# KiCad board issue21482.kicad_pcb
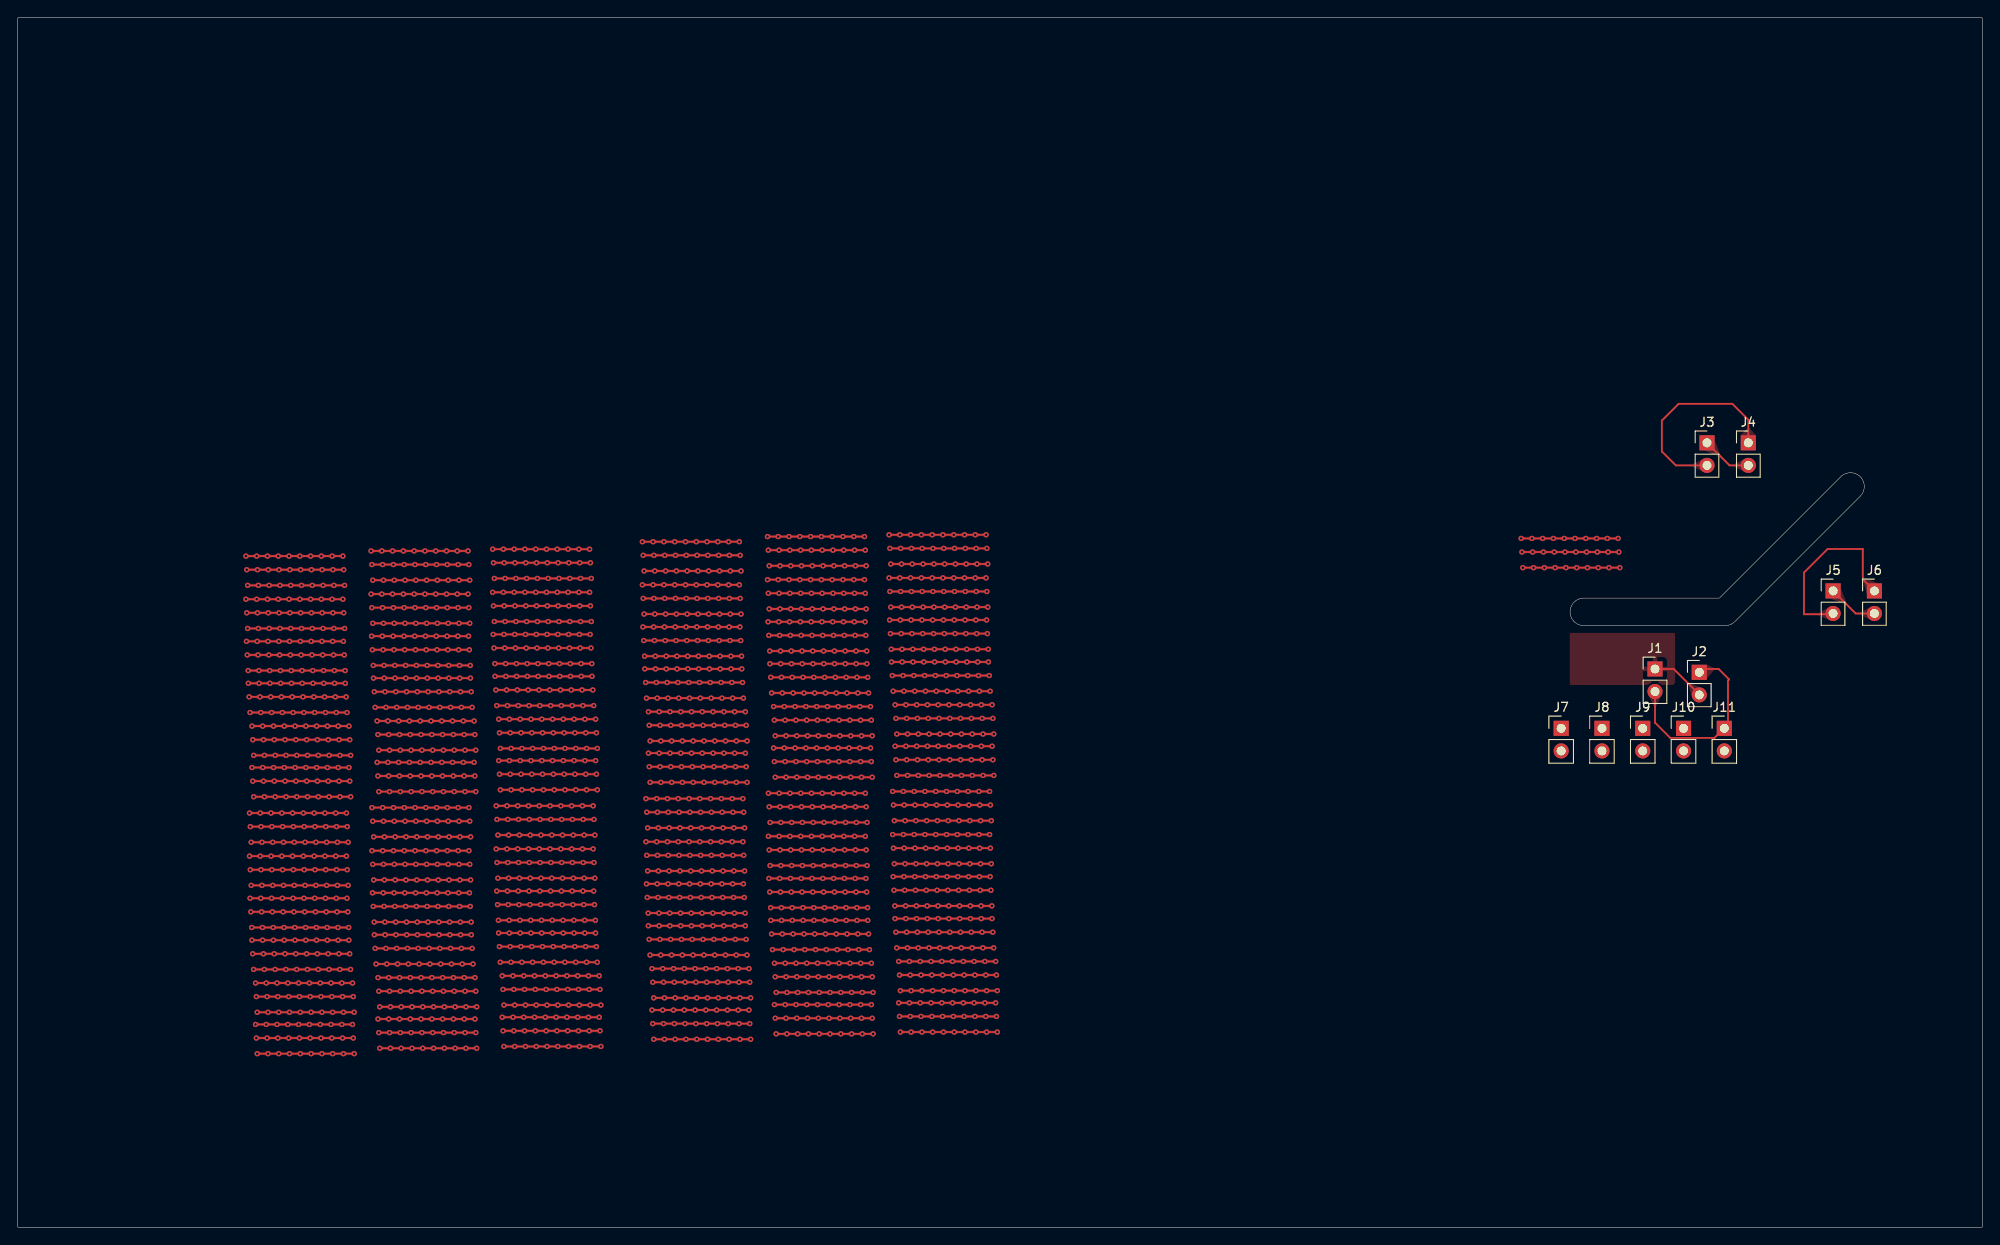
[diagram p0: board, top side]
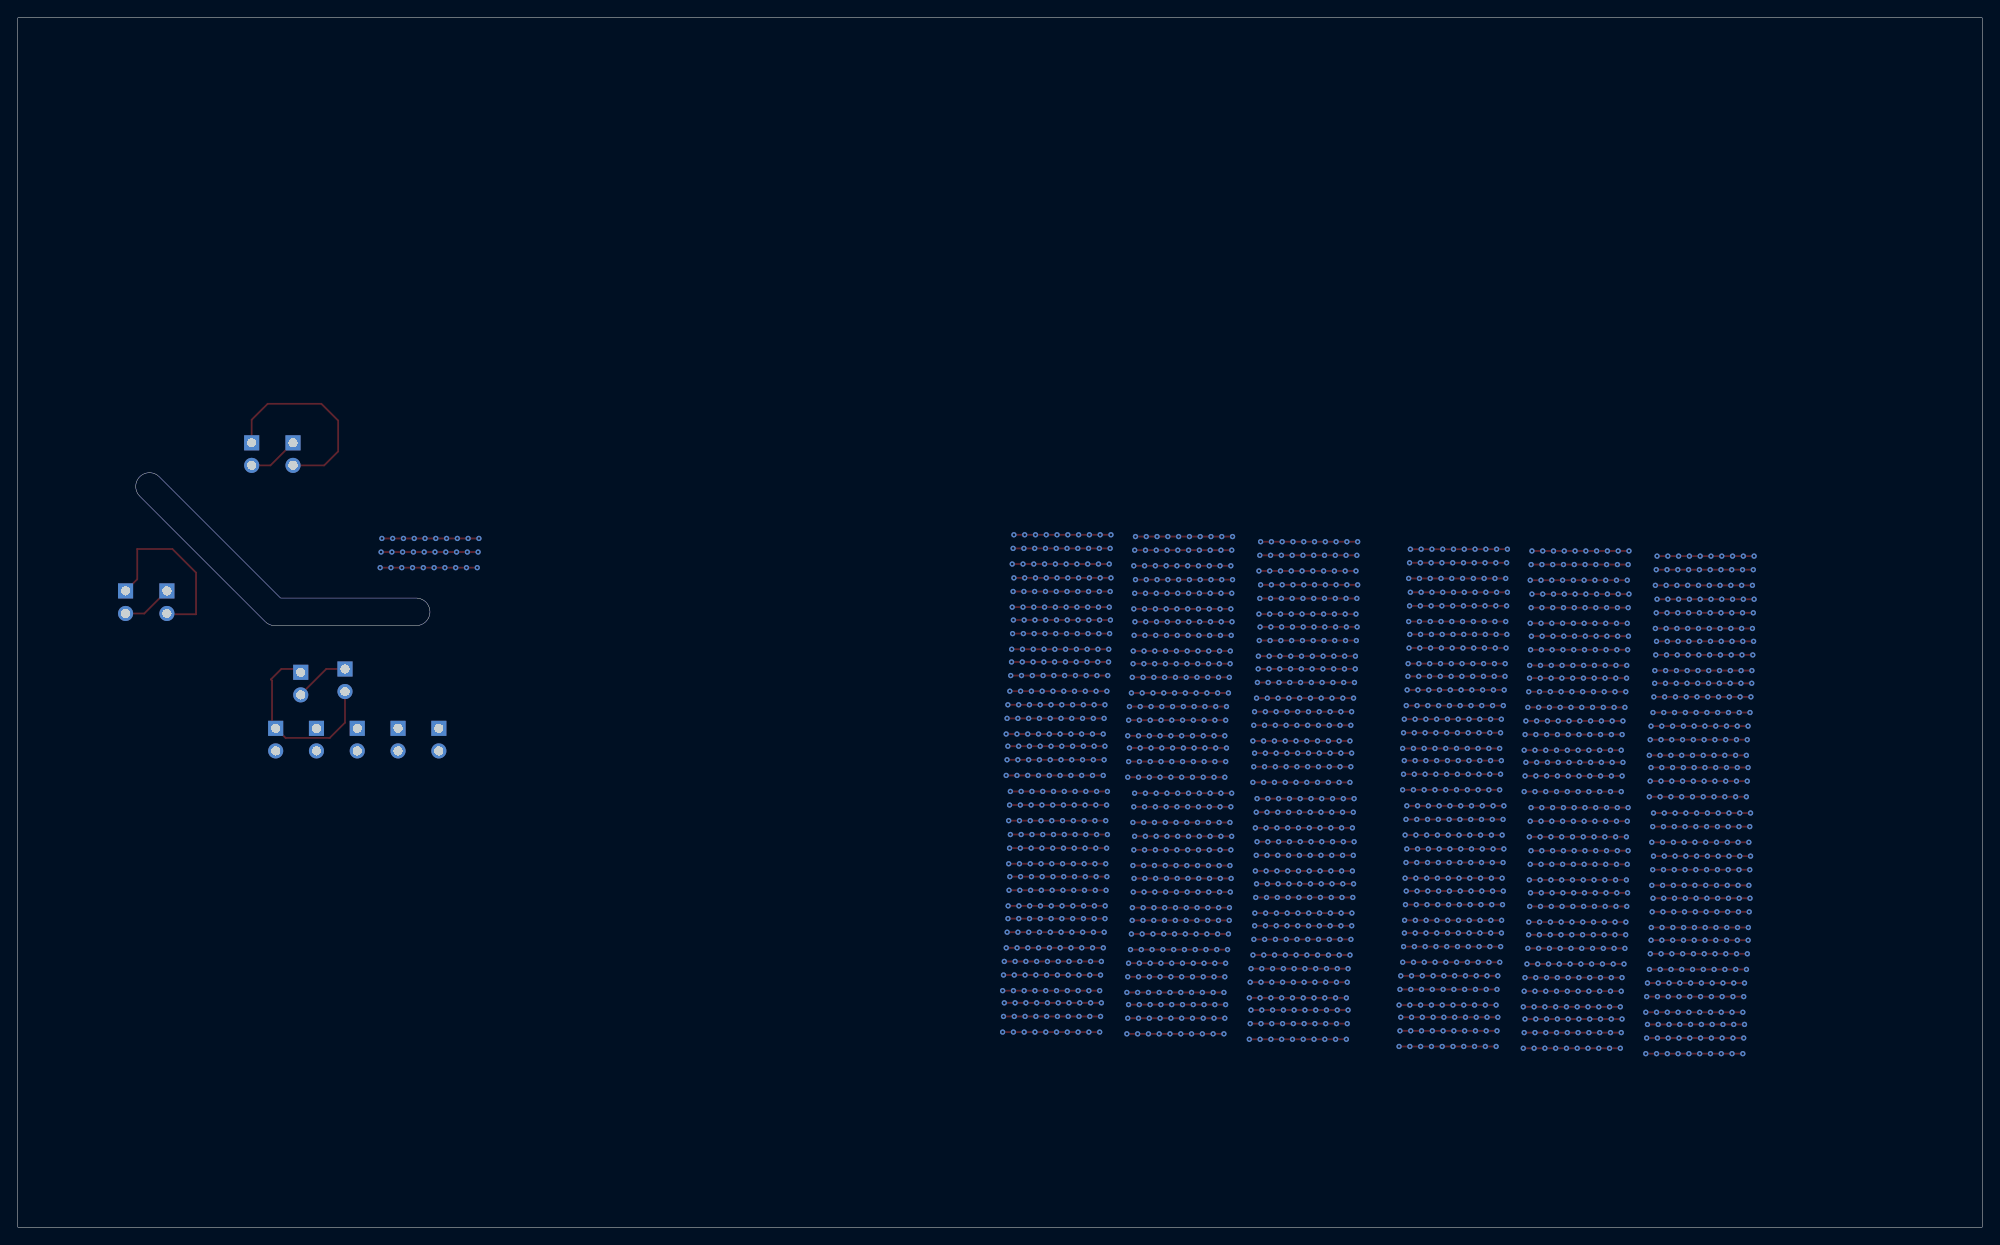
[diagram p1: board, bottom side, seen from below]

Outline 221.05 x 136.1 mm; copper layers: Top, In1.Cu, In2.Cu, In3.Cu, In4.Cu, In5.Cu, In6.Cu, Bottom. Coordinates in mm from the lower left corner of the outline.
Outline path: 206.48,84.89 206.72,84.83 206.95,84.73 207.16,84.6 207.32,84.46 207.33,84.45 207.49,84.26 207.62,84.05 207.71,83.82 207.76,83.58 207.78,83.37 207.78,83.35 207.76,83.11 207.7,82.87 207.6,82.64 207.52,82.5 207.36,82.3 207.33,82.26 193.22,68.15 193.03,67.99 192.98,67.96 192.76,67.84 192.53,67.76 192.42,67.73 192.17,67.7 192.12,67.7 176.22,67.7 175.98,67.72 175.91,67.73 175.68,67.8 175.45,67.9 175.25,68.04 175.13,68.15 175.12,68.16 174.96,68.35 174.83,68.56 174.74,68.79 174.69,69.03 174.67,69.24 174.67,69.26 174.69,69.5 174.75,69.74 174.85,69.97 174.98,70.18 175.12,70.34 175.13,70.35 175.32,70.51 175.53,70.64 175.76,70.73 175.92,70.77 176.17,70.8 176.22,70.8 191.48,70.8 205.13,84.46 205.32,84.62 205.37,84.65 205.59,84.77 205.82,84.85 206.06,84.9 206.22,84.91 206.24,84.91 closed ; rectangle 0,136.1 221.05,0
Stack: Top 0.035mm / dielectric 0.1mm FR4 er 4.5 / In1.Cu 0.035mm / dielectric 0.3mm FR4 er 4.5 / In2.Cu 0.035mm / dielectric 0.1mm FR4 er 4.5 / In3.Cu 0.035mm / dielectric 0.3mm FR4 er 4.5 / In4.Cu 0.035mm / dielectric 0.1mm FR4 er 4.5 / In5.Cu 0.035mm / dielectric 0.3mm FR4 er 4.5 / In6.Cu 0.035mm / dielectric 0.1mm FR4 er 4.5 / Bottom 0.035mm

## Placement (name value [footprint] x y rotation side)
J1  Conn_01x02_Pin  [PinHeader_1x02_P2.54mm_Vertical]  184.23 62.82 0 top
J2  Conn_01x02_Pin  [PinHeader_1x02_P2.54mm_Vertical]  189.21 62.45 0 top
J3  Conn_01x02_Pin  [PinHeader_1x02_P2.54mm_Vertical]  190.08 88.27 0 top
J4  Conn_01x02_Pin  [PinHeader_1x02_P2.54mm_Vertical]  194.73 88.27 0 top
J5  Conn_01x02_Pin  [PinHeader_1x02_P2.54mm_Vertical]  204.27 71.61 0 top
J6  Conn_01x02_Pin  [PinHeader_1x02_P2.54mm_Vertical]  208.92 71.61 0 top
J7  Conn_01x02_Pin  [PinHeader_1x02_P2.54mm_Vertical]  173.67 56.14 0 top
J8  Conn_01x02_Pin  [PinHeader_1x02_P2.54mm_Vertical]  178.26 56.14 0 top
J9  Conn_01x02_Pin  [PinHeader_1x02_P2.54mm_Vertical]  182.85 56.14 0 top
J10  Conn_01x02_Pin  [PinHeader_1x02_P2.54mm_Vertical]  187.44 56.14 0 top
J11  Conn_01x02_Pin  [PinHeader_1x02_P2.54mm_Vertical]  192.03 56.14 0 top

## Library data of the parts
J1-J11 = -: Description: Generic connector, single row, 01x02, script generated; ki_fp_filters: Connector*:*_1x??_*

## Footprints (pads in the part's own frame, mm; a bottom-side part is the same pattern mirrored in y, then rotated)
PinHeader_1x02_P2.54mm_Vertical
  rect 1.7x1.7 hole 1: 1(0,0)
  oval 1.7x1.7 hole 1: 2(0,-2.54)

## Nets
Net-(J1-Pin_1): J1.1 J2.2
Net-(J1-Pin_2): J1.2 J2.1
Net-(J3-Pin_1): J3.1 J4.2
Net-(J3-Pin_2): J3.2 J4.1
Net-(J5-Pin_1): J5.1 J6.2
Net-(J5-Pin_2): J5.2 J6.1

Pads without a net: J7 1 2; J8 1 2; J9 1 2; J10 1 2; J11 1 2

## Via types
v1: diameter 0.6, hole 0.3, Top to Bottom, 2190 vias

## Routing (per net, layer and track width the routed paths; a pad name or vN(x,y) marks a point on that pad's centre or on a via; arc(x,y) is an arc through that point)
(no net): length 2391.5
  Top w0.2: v1(37.18,43.32) v1(35.97,43.32) v1(34.75,43.32) v1(33.54,43.32) v1(32.33,43.32) v1(31.11,43.32) v1(29.9,43.32) v1(28.69,43.32) v1(27.47,43.32) v1(26.26,43.32) ; v1(53.83,42.57) v1(55.04,42.57) v1(56.26,42.57) v1(57.47,42.57) v1(58.68,42.57) v1(59.9,42.57) v1(61.11,42.57) v1(62.32,42.57) v1(63.54,42.57) v1(64.75,42.57) ; v1(39.84,69.72) v1(41.05,69.72) v1(42.27,69.72) v1(43.48,69.72) v1(44.69,69.72) v1(45.91,69.72) v1(47.12,69.72) v1(48.33,69.72) v1(49.55,69.72) v1(50.76,69.72) ; v1(26.44,50.2) v1(27.65,50.2) v1(28.87,50.2) v1(30.08,50.2) v1(31.29,50.2) v1(32.51,50.2) v1(33.72,50.2) v1(34.93,50.2) v1(36.15,50.2) v1(37.36,50.2) ; v1(39.94,40.84) v1(41.15,40.84) v1(42.37,40.84) v1(43.58,40.84) v1(44.79,40.84) v1(46.01,40.84) v1(47.22,40.84) v1(48.43,40.84) v1(49.65,40.84) v1(50.86,40.84) ; v1(96.05,57.06) v1(94.84,57.06) v1(93.62,57.06) v1(92.41,57.06) v1(91.2,57.06) v1(89.98,57.06) v1(88.77,57.06) v1(87.56,57.06) v1(86.34,57.06) v1(85.13,57.06) ; v1(109.64,58.79) v1(108.43,58.79) v1(107.21,58.79) v1(106,58.79) v1(104.79,58.79) v1(103.57,58.79) v1(102.36,58.79) v1(101.15,58.79) v1(99.93,58.79) v1(98.72,58.79) ; v1(81.75,37.11) v1(80.54,37.11) v1(79.32,37.11) v1(78.11,37.11) v1(76.9,37.11) v1(75.68,37.11) v1(74.47,37.11) v1(73.26,37.11) v1(72.04,37.11) v1(70.83,37.11) ; v1(109.11,66.8) v1(107.9,66.8) v1(106.68,66.8) v1(105.47,66.8) v1(104.26,66.8) v1(103.04,66.8) v1(101.83,66.8) v1(100.62,66.8) v1(99.4,66.8) v1(98.19,66.8) ; v1(26.53,29.01) v1(27.74,29.01) v1(28.96,29.01) v1(30.17,29.01) v1(31.38,29.01) v1(32.6,29.01) v1(33.81,29.01) v1(35.02,29.01) v1(36.24,29.01) v1(37.45,29.01) ; v1(40,36.1) v1(41.21,36.1) v1(42.43,36.1) v1(43.64,36.1) v1(44.85,36.1) v1(46.07,36.1) v1(47.28,36.1) v1(48.49,36.1) v1(49.71,36.1) v1(50.92,36.1) ; v1(70.47,69) v1(71.68,69) v1(72.9,69) v1(74.11,69) v1(75.32,69) v1(76.54,69) v1(77.75,69) v1(78.96,69) v1(80.18,69) v1(81.39,69) ; v1(26.84,21.29) v1(28.05,21.29) v1(29.27,21.29) v1(30.48,21.29) v1(31.69,21.29) v1(32.91,21.29) v1(34.12,21.29) v1(35.33,21.29) v1(36.55,21.29) v1(37.76,21.29) ; v1(85.14,29.71) v1(86.35,29.71) v1(87.57,29.71) v1(88.78,29.71) v1(89.99,29.71) v1(91.21,29.71) v1(92.42,29.71) v1(93.63,29.71) v1(94.85,29.71) v1(96.06,29.71) ; v1(36.86,61.21) v1(35.65,61.21) v1(34.43,61.21) v1(33.22,61.21) v1(32.01,61.21) v1(30.79,61.21) v1(29.58,61.21) v1(28.37,61.21) v1(27.15,61.21) v1(25.94,61.21) ; v1(65.62,25) v1(64.41,25) v1(63.19,25) v1(61.98,25) v1(60.77,25) v1(59.55,25) v1(58.34,25) v1(57.13,25) v1(55.91,25) v1(54.7,25) ; v1(37.08,40.23) v1(35.87,40.23) v1(34.65,40.23) v1(33.44,40.23) v1(32.23,40.23) v1(31.01,40.23) v1(29.8,40.23) v1(28.59,40.23) v1(27.37,40.23) v1(26.16,40.23) ; v1(98.71,34.73) v1(99.92,34.73) v1(101.14,34.73) v1(102.35,34.73) v1(103.56,34.73) v1(104.78,34.73) v1(105.99,34.73) v1(107.2,34.73) v1(108.42,34.73) v1(109.63,34.73) ; v1(98.04,73.07) v1(99.25,73.07) v1(100.47,73.07) v1(101.68,73.07) v1(102.89,73.07) v1(104.11,73.07) v1(105.32,73.07) v1(106.53,73.07) v1(107.75,73.07) v1(108.96,73.07) ; v1(71.55,21.15) v1(72.76,21.15) v1(73.98,21.15) v1(75.19,21.15) v1(76.4,21.15) v1(77.62,21.15) v1(78.83,21.15) v1(80.04,21.15) v1(81.26,21.15) v1(82.47,21.15) ; v1(95.44,39.25) v1(94.23,39.25) v1(93.01,39.25) v1(91.8,39.25) v1(90.59,39.25) v1(89.37,39.25) v1(88.16,39.25) v1(86.95,39.25) v1(85.73,39.25) v1(84.52,39.25) ; v1(25.67,70.67) v1(26.88,70.67) v1(28.1,70.67) v1(29.31,70.67) v1(30.52,70.67) v1(31.74,70.67) v1(32.95,70.67) v1(34.16,70.67) v1(35.38,70.67) v1(36.59,70.67) ; v1(99.12,25.25) v1(100.33,25.25) v1(101.55,25.25) v1(102.76,25.25) v1(103.97,25.25) v1(105.19,25.25) v1(106.4,25.25) v1(107.61,25.25) v1(108.83,25.25) v1(110.04,25.25) ; v1(37.26,32.3) v1(36.05,32.3) v1(34.83,32.3) v1(33.62,32.3) v1(32.41,32.3) v1(31.19,32.3) v1(29.98,32.3) v1(28.77,32.3) v1(27.55,32.3) v1(26.34,32.3) ; v1(54.11,57.17) v1(55.32,57.17) v1(56.54,57.17) v1(57.75,57.17) v1(58.96,57.17) v1(60.18,57.17) v1(61.39,57.17) v1(62.6,57.17) v1(63.82,57.17) v1(65.03,57.17) ; v1(37.86,19.53) v1(36.65,19.53) v1(35.43,19.53) v1(34.22,19.53) v1(33.01,19.53) v1(31.79,19.53) v1(30.58,19.53) v1(29.37,19.53) v1(28.15,19.53) v1(26.94,19.53) ; v1(54.3,53.88) v1(55.51,53.88) v1(56.73,53.88) v1(57.94,53.88) v1(59.15,53.88) v1(60.37,53.88) v1(61.58,53.88) v1(62.79,53.88) v1(64.01,53.88) v1(65.22,53.88) ; v1(53.7,61.99) v1(54.91,61.99) v1(56.13,61.99) v1(57.34,61.99) v1(58.55,61.99) v1(59.77,61.99) v1(60.98,61.99) v1(62.19,61.99) v1(63.41,61.99) v1(64.62,61.99) ; v1(109.23,63.61) v1(108.02,63.61) v1(106.8,63.61) v1(105.59,63.61) v1(104.38,63.61) v1(103.16,63.61) v1(101.95,63.61) v1(100.74,63.61) v1(99.52,63.61) v1(98.31,63.61) ; v1(70.37,70.76) v1(71.58,70.76) v1(72.8,70.76) v1(74.01,70.76) v1(75.22,70.76) v1(76.44,70.76) v1(77.65,70.76) v1(78.86,70.76) v1(80.08,70.76) v1(81.29,70.76) ; v1(26.54,48.44) v1(27.75,48.44) v1(28.97,48.44) v1(30.18,48.44) v1(31.39,48.44) v1(32.61,48.44) v1(33.82,48.44) v1(35.03,48.44) v1(36.25,48.44) v1(37.46,48.44) ; v1(82.28,24.44) v1(81.07,24.44) v1(79.85,24.44) v1(78.64,24.44) v1(77.43,24.44) v1(76.21,24.44) v1(75,24.44) v1(73.79,24.44) v1(72.57,24.44) v1(71.36,24.44) ; v1(109.32,62.08) v1(108.11,62.08) v1(106.89,62.08) v1(105.68,62.08) v1(104.47,62.08) v1(103.25,62.08) v1(102.04,62.08) v1(100.83,62.08) v1(99.61,62.08) v1(98.4,62.08) ; v1(50.67,76.1) v1(49.46,76.1) v1(48.24,76.1) v1(47.03,76.1) v1(45.82,76.1) v1(44.6,76.1) v1(43.39,76.1) v1(42.18,76.1) v1(40.96,76.1) v1(39.75,76.1) ; v1(37.76,25.95) v1(36.55,25.95) v1(35.33,25.95) v1(34.12,25.95) v1(32.91,25.95) v1(31.69,25.95) v1(30.48,25.95) v1(29.27,25.95) v1(28.05,25.95) v1(26.84,25.95) ; v1(40.04,39.08) v1(41.25,39.08) v1(42.47,39.08) v1(43.68,39.08) v1(44.89,39.08) v1(46.11,39.08) v1(47.32,39.08) v1(48.53,39.08) v1(49.75,39.08) v1(50.96,39.08) ; v1(95.74,60.12) v1(94.53,60.12) v1(93.31,60.12) v1(92.1,60.12) v1(90.89,60.12) v1(89.67,60.12) v1(88.46,60.12) v1(87.25,60.12) v1(86.03,60.12) v1(84.82,60.12) ; v1(98.04,77.92) v1(99.25,77.92) v1(100.47,77.92) v1(101.68,77.92) v1(102.89,77.92) v1(104.11,77.92) v1(105.32,77.92) v1(106.53,77.92) v1(107.75,77.92) v1(108.96,77.92) ; v1(26.07,46.61) v1(27.28,46.61) v1(28.5,46.61) v1(29.71,46.61) v1(30.92,46.61) v1(32.14,46.61) v1(33.35,46.61) v1(34.56,46.61) v1(35.78,46.61) v1(36.99,46.61) ; v1(95.65,34.53) v1(94.44,34.53) v1(93.22,34.53) v1(92.01,34.53) v1(90.8,34.53) v1(89.58,34.53) v1(88.37,34.53) v1(87.16,34.53) v1(85.94,34.53) v1(84.73,34.53) ; v1(53.52,69.92) v1(54.73,69.92) v1(55.95,69.92) v1(57.16,69.92) v1(58.37,69.92) v1(59.59,69.92) v1(60.8,69.92) v1(62.01,69.92) v1(63.23,69.92) v1(64.44,69.92) ; v1(95.57,40.7) v1(94.36,40.7) v1(93.14,40.7) v1(91.93,40.7) v1(90.72,40.7) v1(89.5,40.7) v1(88.29,40.7) v1(87.08,40.7) v1(85.86,40.7) v1(84.65,40.7) ; v1(65.11,31.58) v1(63.9,31.58) v1(62.68,31.58) v1(61.47,31.58) v1(60.26,31.58) v1(59.04,31.58) v1(57.83,31.58) v1(56.62,31.58) v1(55.4,31.58) v1(54.19,31.58) ; v1(81.97,51.82) v1(80.76,51.82) v1(79.54,51.82) v1(78.33,51.82) v1(77.12,51.82) v1(75.9,51.82) v1(74.69,51.82) v1(73.48,51.82) v1(72.26,51.82) v1(71.05,51.82) ; v1(54.08,34.54) v1(55.29,34.54) v1(56.51,34.54) v1(57.72,34.54) v1(58.93,34.54) v1(60.15,34.54) v1(61.36,34.54) v1(62.57,34.54) v1(63.79,34.54) v1(65,34.54) ; v1(96.06,25.05) v1(94.85,25.05) v1(93.63,25.05) v1(92.42,25.05) v1(91.21,25.05) v1(89.99,25.05) v1(88.78,25.05) v1(87.57,25.05) v1(86.35,25.05) v1(85.14,25.05) ; v1(109.64,54.13) v1(108.43,54.13) v1(107.21,54.13) v1(106,54.13) v1(104.79,54.13) v1(103.57,54.13) v1(102.36,54.13) v1(101.15,54.13) v1(99.93,54.13) v1(98.72,54.13) ; v1(53.92,41.04) v1(55.13,41.04) v1(56.35,41.04) v1(57.56,41.04) v1(58.77,41.04) v1(59.99,41.04) v1(61.2,41.04) v1(62.41,41.04) v1(63.63,41.04) v1(64.84,41.04) ; v1(53.98,36.3) v1(55.19,36.3) v1(56.41,36.3) v1(57.62,36.3) v1(58.83,36.3) v1(60.05,36.3) v1(61.26,36.3) v1(62.47,36.3) v1(63.69,36.3) v1(64.9,36.3) ; v1(99.12,29.91) v1(100.33,29.91) v1(101.55,29.91) v1(102.76,29.91) v1(103.97,29.91) v1(105.19,29.91) v1(106.4,29.91) v1(107.61,29.91) v1(108.83,29.91) v1(110.04,29.91) ; v1(37.27,56.39) v1(36.06,56.39) v1(34.84,56.39) v1(33.63,56.39) v1(32.42,56.39) v1(31.2,56.39) v1(29.99,56.39) v1(28.78,56.39) v1(27.56,56.39) v1(26.35,56.39) ; v1(84.55,47.31) v1(85.76,47.31) v1(86.98,47.31) v1(88.19,47.31) v1(89.4,47.31) v1(90.62,47.31) v1(91.83,47.31) v1(93.04,47.31) v1(94.26,47.31) v1(95.47,47.31) ; v1(109.45,42.66) v1(108.24,42.66) v1(107.02,42.66) v1(105.81,42.66) v1(104.6,42.66) v1(103.38,42.66) v1(102.17,42.66) v1(100.96,42.66) v1(99.74,42.66) v1(98.53,42.66) ; v1(26.03,59.68) v1(27.24,59.68) v1(28.46,59.68) v1(29.67,59.68) v1(30.88,59.68) v1(32.1,59.68) v1(33.31,59.68) v1(34.52,59.68) v1(35.74,59.68) v1(36.95,59.68) ; v1(54.02,39.28) v1(55.23,39.28) v1(56.45,39.28) v1(57.66,39.28) v1(58.87,39.28) v1(60.09,39.28) v1(61.3,39.28) v1(62.51,39.28) v1(63.73,39.28) v1(64.94,39.28) ; v1(39.94,67.96) v1(41.15,67.96) v1(42.37,67.96) v1(43.58,67.96) v1(44.79,67.96) v1(46.01,67.96) v1(47.22,67.96) v1(48.43,67.96) v1(49.65,67.96) v1(50.86,67.96) ; v1(26.13,57.92) v1(27.34,57.92) v1(28.56,57.92) v1(29.77,57.92) v1(30.98,57.92) v1(32.2,57.92) v1(33.41,57.92) v1(34.62,57.92) v1(35.84,57.92) v1(37.05,57.92) ; v1(109.15,74.63) v1(107.94,74.63) v1(106.72,74.63) v1(105.51,74.63) v1(104.3,74.63) v1(103.08,74.63) v1(101.87,74.63) v1(100.66,74.63) v1(99.44,74.63) v1(98.23,74.63) ; v1(40.52,55.44) v1(41.73,55.44) v1(42.95,55.44) v1(44.16,55.44) v1(45.37,55.44) v1(46.59,55.44) v1(47.8,55.44) v1(49.01,55.44) v1(50.23,55.44) v1(51.44,55.44) ; v1(40.1,34.34) v1(41.31,34.34) v1(42.53,34.34) v1(43.74,34.34) v1(44.95,34.34) v1(46.17,34.34) v1(47.38,34.34) v1(48.59,34.34) v1(49.81,34.34) v1(51.02,34.34) ; v1(65.52,26.76) v1(64.31,26.76) v1(63.09,26.76) v1(61.88,26.76) v1(60.67,26.76) v1(59.45,26.76) v1(58.24,26.76) v1(57.03,26.76) v1(55.81,26.76) v1(54.6,26.76) ; v1(65.43,28.29) v1(64.22,28.29) v1(63,28.29) v1(61.79,28.29) v1(60.58,28.29) v1(59.36,28.29) v1(58.15,28.29) v1(56.94,28.29) v1(55.72,28.29) v1(54.51,28.29) ; v1(95.28,77.72) v1(94.07,77.72) v1(92.85,77.72) v1(91.64,77.72) v1(90.43,77.72) v1(89.21,77.72) v1(88,77.72) v1(86.79,77.72) v1(85.57,77.72) v1(84.36,77.72) ; v1(85.23,23.52) v1(86.44,23.52) v1(87.66,23.52) v1(88.87,23.52) v1(90.08,23.52) v1(91.3,23.52) v1(92.51,23.52) v1(93.72,23.52) v1(94.94,23.52) v1(96.15,23.52) ; v1(37.24,33.73) v1(36.03,33.73) v1(34.81,33.73) v1(33.6,33.73) v1(32.39,33.73) v1(31.17,33.73) v1(29.96,33.73) v1(28.75,33.73) v1(27.53,33.73) v1(26.32,33.73) ; v1(37.14,35.49) v1(35.93,35.49) v1(34.71,35.49) v1(33.5,35.49) v1(32.29,35.49) v1(31.07,35.49) v1(29.86,35.49) v1(28.65,35.49) v1(27.43,35.49) v1(26.22,35.49) ; v1(81.87,33.92) v1(80.66,33.92) v1(79.44,33.92) v1(78.23,33.92) v1(77.02,33.92) v1(75.8,33.92) v1(74.59,33.92) v1(73.38,33.92) v1(72.16,33.92) v1(70.95,33.92) ; v1(84.42,68.13) v1(85.63,68.13) v1(86.85,68.13) v1(88.06,68.13) v1(89.27,68.13) v1(90.49,68.13) v1(91.7,68.13) v1(92.91,68.13) v1(94.13,68.13) v1(95.34,68.13) ; v1(81.26,67.55) v1(80.05,67.55) v1(78.83,67.55) v1(77.62,67.55) v1(76.41,67.55) v1(75.19,67.55) v1(73.98,67.55) v1(72.77,67.55) v1(71.55,67.55) v1(70.34,67.55) ; v1(50.76,74.57) v1(49.55,74.57) v1(48.33,74.57) v1(47.12,74.57) v1(45.91,74.57) v1(44.69,74.57) v1(43.48,74.57) v1(42.27,74.57) v1(41.05,74.57) v1(39.84,74.57) ; v1(81.79,44.94) v1(80.58,44.94) v1(79.36,44.94) v1(78.15,44.94) v1(76.94,44.94) v1(75.72,44.94) v1(74.51,44.94) v1(73.3,44.94) v1(72.08,44.94) v1(70.87,44.94) ; v1(95.96,53.93) v1(94.75,53.93) v1(93.53,53.93) v1(92.32,53.93) v1(91.11,53.93) v1(89.89,53.93) v1(88.68,53.93) v1(87.47,53.93) v1(86.25,53.93) v1(85.04,53.93) ; v1(109.83,50.84) v1(108.62,50.84) v1(107.4,50.84) v1(106.19,50.84) v1(104.98,50.84) v1(103.76,50.84) v1(102.55,50.84) v1(101.34,50.84) v1(100.12,50.84) v1(98.91,50.84) ; v1(70.28,72.29) v1(71.49,72.29) v1(72.71,72.29) v1(73.92,72.29) v1(75.13,72.29) v1(76.35,72.29) v1(77.56,72.29) v1(78.77,72.29) v1(79.99,72.29) v1(81.2,72.29) ; v1(50.92,63.22) v1(49.71,63.22) v1(48.49,63.22) v1(47.28,63.22) v1(46.07,63.22) v1(44.85,63.22) v1(43.64,63.22) v1(42.43,63.22) v1(41.21,63.22) v1(40,63.22) ; v1(53.43,76.3) v1(54.64,76.3) v1(55.86,76.3) v1(57.07,76.3) v1(58.28,76.3) v1(59.5,76.3) v1(60.71,76.3) v1(61.92,76.3) v1(63.14,76.3) v1(64.35,76.3) ; v1(109.36,44.19) v1(108.15,44.19) v1(106.93,44.19) v1(105.72,44.19) v1(104.51,44.19) v1(103.29,44.19) v1(102.08,44.19) v1(100.87,44.19) v1(99.65,44.19) v1(98.44,44.19) ; v1(98.91,55.5) v1(100.12,55.5) v1(101.34,55.5) v1(102.55,55.5) v1(103.76,55.5) v1(104.98,55.5) v1(106.19,55.5) v1(107.4,55.5) v1(108.62,55.5) v1(109.83,55.5) ; v1(40.12,32.91) v1(41.33,32.91) v1(42.55,32.91) v1(43.76,32.91) v1(44.97,32.91) v1(46.19,32.91) v1(47.4,32.91) v1(48.61,32.91) v1(49.83,32.91) v1(51.04,32.91) ; v1(51.44,50.78) v1(50.23,50.78) v1(49.01,50.78) v1(47.8,50.78) v1(46.59,50.78) v1(45.37,50.78) v1(44.16,50.78) v1(42.95,50.78) v1(41.73,50.78) v1(40.52,50.78) ; v1(71.15,50.06) v1(72.36,50.06) v1(73.58,50.06) v1(74.79,50.06) v1(76,50.06) v1(77.22,50.06) v1(78.43,50.06) v1(79.64,50.06) v1(80.86,50.06) v1(82.07,50.06) ; v1(53.62,73.01) v1(54.83,73.01) v1(56.05,73.01) v1(57.26,73.01) v1(58.47,73.01) v1(59.69,73.01) v1(60.9,73.01) v1(62.11,73.01) v1(63.33,73.01) v1(64.54,73.01) ; v1(50.94,61.79) v1(49.73,61.79) v1(48.51,61.79) v1(47.3,61.79) v1(46.09,61.79) v1(44.87,61.79) v1(43.66,61.79) v1(42.45,61.79) v1(41.23,61.79) v1(40.02,61.79) ; v1(96.25,21.76) v1(95.04,21.76) v1(93.82,21.76) v1(92.61,21.76) v1(91.4,21.76) v1(90.18,21.76) v1(88.97,21.76) v1(87.76,21.76) v1(86.54,21.76) v1(85.33,21.76) ; v1(64.81,37.83) v1(63.6,37.83) v1(62.38,37.83) v1(61.17,37.83) v1(59.96,37.83) v1(58.74,37.83) v1(57.53,37.83) v1(56.32,37.83) v1(55.1,37.83) v1(53.89,37.83) ; v1(25.73,65.93) v1(26.94,65.93) v1(28.16,65.93) v1(29.37,65.93) v1(30.58,65.93) v1(31.8,65.93) v1(33.01,65.93) v1(34.22,65.93) v1(35.44,65.93) v1(36.65,65.93) ; v1(110.23,21.96) v1(109.02,21.96) v1(107.8,21.96) v1(106.59,21.96) v1(105.38,21.96) v1(104.16,21.96) v1(102.95,21.96) v1(101.74,21.96) v1(100.52,21.96) v1(99.31,21.96) ; v1(98.29,65.04) v1(99.5,65.04) v1(100.72,65.04) v1(101.93,65.04) v1(103.14,65.04) v1(104.36,65.04) v1(105.57,65.04) v1(106.78,65.04) v1(108,65.04) v1(109.21,65.04) ; v1(98.9,31.44) v1(100.11,31.44) v1(101.33,31.44) v1(102.54,31.44) v1(103.75,31.44) v1(104.97,31.44) v1(106.18,31.44) v1(107.39,31.44) v1(108.61,31.44) v1(109.82,31.44) ; v1(98.69,36.16) v1(99.9,36.16) v1(101.12,36.16) v1(102.33,36.16) v1(103.54,36.16) v1(104.76,36.16) v1(105.97,36.16) v1(107.18,36.16) v1(108.4,36.16) v1(109.61,36.16) ; v1(81.69,41.85) v1(80.48,41.85) v1(79.26,41.85) v1(78.05,41.85) v1(76.84,41.85) v1(75.62,41.85) v1(74.41,41.85) v1(73.2,41.85) v1(71.98,41.85) v1(70.77,41.85) ; v1(95.74,33) v1(94.53,33) v1(93.31,33) v1(92.1,33) v1(90.89,33) v1(89.67,33) v1(88.46,33) v1(87.25,33) v1(86.03,33) v1(84.82,33) ; v1(98.8,33.2) v1(100.01,33.2) v1(101.23,33.2) v1(102.44,33.2) v1(103.65,33.2) v1(104.87,33.2) v1(106.08,33.2) v1(107.29,33.2) v1(108.51,33.2) v1(109.72,33.2) ; v1(81.6,48.23) v1(80.39,48.23) v1(79.17,48.23) v1(77.96,48.23) v1(76.75,48.23) v1(75.53,48.23) v1(74.32,48.23) v1(73.11,48.23) v1(71.89,48.23) v1(70.68,48.23) ; v1(64.81,58.7) v1(63.6,58.7) v1(62.38,58.7) v1(61.17,58.7) v1(59.96,58.7) v1(58.74,58.7) v1(57.53,58.7) v1(56.32,58.7) v1(55.1,58.7) v1(53.89,58.7) ; v1(96.05,52.4) v1(94.84,52.4) v1(93.62,52.4) v1(92.41,52.4) v1(91.2,52.4) v1(89.98,52.4) v1(88.77,52.4) v1(87.56,52.4) v1(86.34,52.4) v1(85.13,52.4) ; v1(37.18,38.47) v1(35.97,38.47) v1(34.75,38.47) v1(33.54,38.47) v1(32.33,38.47) v1(31.11,38.47) v1(29.9,38.47) v1(28.69,38.47) v1(27.47,38.47) v1(26.26,38.47) ; v1(98.5,39.45) v1(99.71,39.45) v1(100.93,39.45) v1(102.14,39.45) v1(103.35,39.45) v1(104.57,39.45) v1(105.78,39.45) v1(106.99,39.45) v1(108.21,39.45) v1(109.42,39.45) ; v1(81.39,73.85) v1(80.18,73.85) v1(78.96,73.85) v1(77.75,73.85) v1(76.54,73.85) v1(75.32,73.85) v1(74.11,73.85) v1(72.9,73.85) v1(71.68,73.85) v1(70.47,73.85) ; v1(65.12,50.98) v1(63.91,50.98) v1(62.69,50.98) v1(61.48,50.98) v1(60.27,50.98) v1(59.05,50.98) v1(57.84,50.98) v1(56.63,50.98) v1(55.41,50.98) v1(54.2,50.98) ; v1(51.54,21.9) v1(50.33,21.9) v1(49.11,21.9) v1(47.9,21.9) v1(46.69,21.9) v1(45.47,21.9) v1(44.26,21.9) v1(43.05,21.9) v1(41.83,21.9) v1(40.62,21.9) ; v1(36.78,72.23) v1(35.57,72.23) v1(34.35,72.23) v1(33.14,72.23) v1(31.93,72.23) v1(30.71,72.23) v1(29.5,72.23) v1(28.29,72.23) v1(27.07,72.23) v1(25.86,72.23) ; v1(40.72,24.8) v1(41.93,24.8) v1(43.15,24.8) v1(44.36,24.8) v1(45.57,24.8) v1(46.79,24.8) v1(48,24.8) v1(49.21,24.8) v1(50.43,24.8) v1(51.64,24.8) ; v1(39.85,42.37) v1(41.06,42.37) v1(42.28,42.37) v1(43.49,42.37) v1(44.7,42.37) v1(45.92,42.37) v1(47.13,42.37) v1(48.34,42.37) v1(49.56,42.37) v1(50.77,42.37) ; v1(98.63,40.9) v1(99.84,40.9) v1(101.06,40.9) v1(102.27,40.9) v1(103.48,40.9) v1(104.7,40.9) v1(105.91,40.9) v1(107.12,40.9) v1(108.34,40.9) v1(109.55,40.9) ; v1(51.45,23.43) v1(50.24,23.43) v1(49.02,23.43) v1(47.81,23.43) v1(46.6,23.43) v1(45.38,23.43) v1(44.17,23.43) v1(42.96,23.43) v1(41.74,23.43) v1(40.53,23.43) ; v1(70.96,58.01) v1(72.17,58.01) v1(73.39,58.01) v1(74.6,58.01) v1(75.81,58.01) v1(77.03,58.01) v1(78.24,58.01) v1(79.45,58.01) v1(80.67,58.01) v1(81.88,58.01) ; v1(51.13,31.38) v1(49.92,31.38) v1(48.7,31.38) v1(47.49,31.38) v1(46.28,31.38) v1(45.06,31.38) v1(43.85,31.38) v1(42.64,31.38) v1(41.42,31.38) v1(40.21,31.38) ; v1(71.45,27.57) v1(72.66,27.57) v1(73.88,27.57) v1(75.09,27.57) v1(76.3,27.57) v1(77.52,27.57) v1(78.73,27.57) v1(79.94,27.57) v1(81.16,27.57) v1(82.37,27.57) ; v1(26.54,53.1) v1(27.75,53.1) v1(28.97,53.1) v1(30.18,53.1) v1(31.39,53.1) v1(32.61,53.1) v1(33.82,53.1) v1(35.03,53.1) v1(36.25,53.1) v1(37.46,53.1) ; v1(65.02,33.11) v1(63.81,33.11) v1(62.59,33.11) v1(61.38,33.11) v1(60.17,33.11) v1(58.95,33.11) v1(57.74,33.11) v1(56.53,33.11) v1(55.31,33.11) v1(54.1,33.11) ; v1(81.6,43.38) v1(80.39,43.38) v1(79.17,43.38) v1(77.96,43.38) v1(76.75,43.38) v1(75.53,43.38) v1(74.32,43.38) v1(73.11,43.38) v1(71.89,43.38) v1(70.68,43.38) ; v1(40.43,56.97) v1(41.64,56.97) v1(42.86,56.97) v1(44.07,56.97) v1(45.28,56.97) v1(46.5,56.97) v1(47.71,56.97) v1(48.92,56.97) v1(50.14,56.97) v1(51.35,56.97) ; v1(81.2,77.14) v1(79.99,77.14) v1(78.77,77.14) v1(77.56,77.14) v1(76.35,77.14) v1(75.13,77.14) v1(73.92,77.14) v1(72.71,77.14) v1(71.49,77.14) v1(70.28,77.14) ; v1(84.51,66.6) v1(85.72,66.6) v1(86.94,66.6) v1(88.15,66.6) v1(89.36,66.6) v1(90.58,66.6) v1(91.79,66.6) v1(93,66.6) v1(94.22,66.6) v1(95.43,66.6) ; v1(64.35,71.45) v1(63.14,71.45) v1(61.92,71.45) v1(60.71,71.45) v1(59.5,71.45) v1(58.28,71.45) v1(57.07,71.45) v1(55.86,71.45) v1(54.64,71.45) v1(53.43,71.45) ; v1(71.55,25.81) v1(72.76,25.81) v1(73.98,25.81) v1(75.19,25.81) v1(76.4,25.81) v1(77.62,25.81) v1(78.83,25.81) v1(80.04,25.81) v1(81.26,25.81) v1(82.47,25.81) ; v1(64.71,60.46) v1(63.5,60.46) v1(62.28,60.46) v1(61.07,60.46) v1(59.86,60.46) v1(58.64,60.46) v1(57.43,60.46) v1(56.22,60.46) v1(55,60.46) v1(53.79,60.46) ; v1(53.52,74.77) v1(54.73,74.77) v1(55.95,74.77) v1(57.16,74.77) v1(58.37,74.77) v1(59.59,74.77) v1(60.8,74.77) v1(62.01,74.77) v1(63.23,74.77) v1(64.44,74.77) ; v1(84.61,37.72) v1(85.82,37.72) v1(87.04,37.72) v1(88.25,37.72) v1(89.46,37.72) v1(90.68,37.72) v1(91.89,37.72) v1(93.1,37.72) v1(94.32,37.72) v1(95.53,37.72) ; v1(109.05,71.54) v1(107.84,71.54) v1(106.62,71.54) v1(105.41,71.54) v1(104.2,71.54) v1(102.98,71.54) v1(101.77,71.54) v1(100.56,71.54) v1(99.34,71.54) v1(98.13,71.54) ; v1(70.64,61.3) v1(71.85,61.3) v1(73.07,61.3) v1(74.28,61.3) v1(75.49,61.3) v1(76.71,61.3) v1(77.92,61.3) v1(79.13,61.3) v1(80.35,61.3) v1(81.56,61.3) ; v1(70.74,59.54) v1(71.95,59.54) v1(73.17,59.54) v1(74.38,59.54) v1(75.59,59.54) v1(76.81,59.54) v1(78.02,59.54) v1(79.23,59.54) v1(80.45,59.54) v1(81.66,59.54) ; v1(37.86,24.19) v1(36.65,24.19) v1(35.43,24.19) v1(34.22,24.19) v1(33.01,24.19) v1(31.79,24.19) v1(30.58,24.19) v1(29.37,24.19) v1(28.15,24.19) v1(26.94,24.19) ; v1(110.13,23.72) v1(108.92,23.72) v1(107.7,23.72) v1(106.49,23.72) v1(105.28,23.72) v1(104.06,23.72) v1(102.85,23.72) 